# Altium PCB UNT 3-ALL.pcbdoc (part 4 of 4)
Units mm, origin at the board's own origin, x right, y up, seen from the top; angles counter-clockwise.
Board outline 81.66 x 106.01 mm, 4 copper layers (Top Layer, Mid Layer 1, Mid Layer 2, Bottom Layer), stack 0.778 mm thick; 401 components, 151 nets, 1332 pads, 708 vias.
Unrouted connection lines stored in the file: 121.
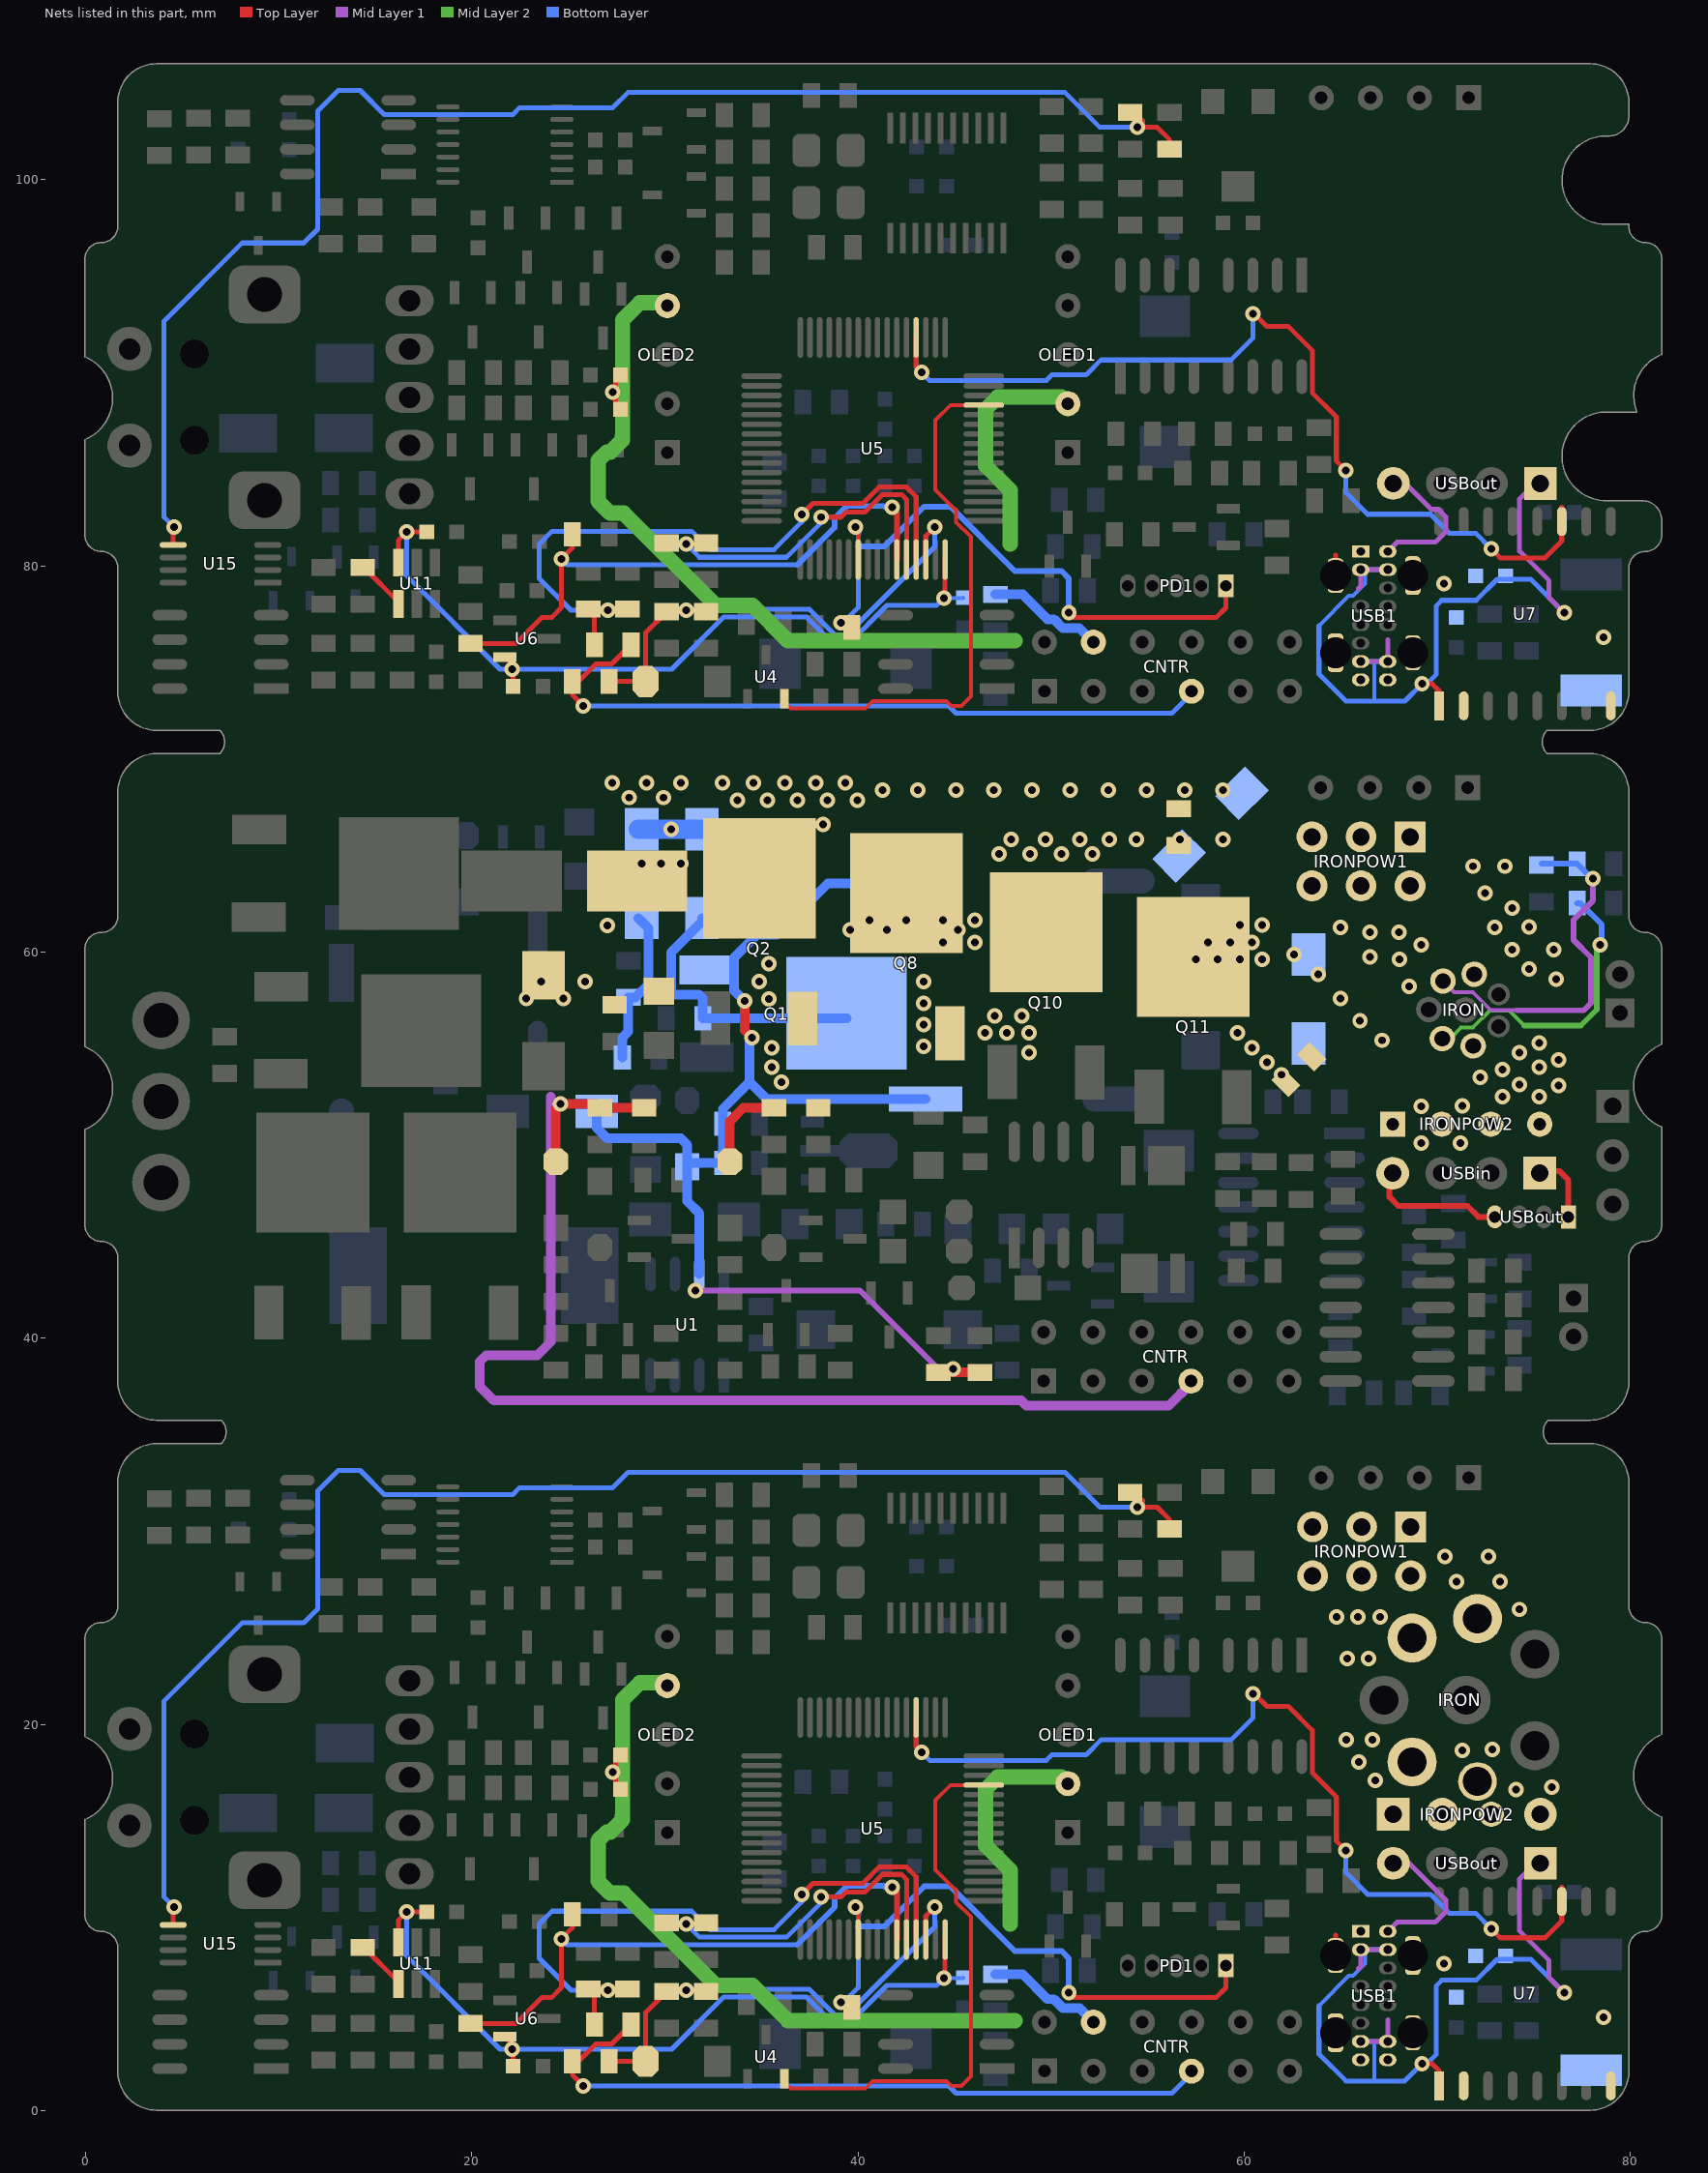
[diagram p6: the nets of this part, all layers, seen from the top]

## Via types
v1: diameter 0.8, hole 0.4, Top Layer to Bottom Layer, tented both sides, 702 vias
v2: diameter 4, hole 2.2, Top Layer to Bottom Layer, 6 vias

## Nets (pads, with @x,y where several pads share a name; then routed paths per layer and width w, separated by ;. In a path a pad name is that pad's centre, name@x,y a point inside that pad or via, vN(x,y) a via of type N, cw(c..) or ccw(c..) an arc to the next point about the centre after c; other vN are vias at no path point) (continued)
USBD-: U5.36 U7.11 | length 96.2
  Top Layer w0.254: U5.36@43.017,20.357 43.017,18.832 v1(43.307,18.542) ; U5.36@43.017,91.837 43.017,90.312 v1(43.307,90.022) ; v1(60.452,21.59) 60.525,21.59 61.192,20.923 62.299,20.923 63.534,19.688 63.534,17.492 64.626,16.4 64.626,16.394 64.783,16.237 64.783,15.127 64.77,15.114 64.783,15.101 64.783,13.957 v1(65.278,13.462) ; v1(60.452,93.07) 60.525,93.07 61.192,92.403 62.299,92.403 63.534,91.168 63.534,88.972 64.626,87.88 64.626,87.874 64.783,87.717 64.783,86.607 64.77,86.594 64.783,86.581 64.783,85.437 v1(65.278,84.942) ; v1(72.814,9.398) 73.269,8.942 75.587,8.942 76.454,9.809 U7.11@76.454,11.557 ; v1(72.814,80.878) 73.269,80.422 75.587,80.422 76.454,81.289 U7.11@76.454,83.037
  Bottom Layer w0.254: v1(43.307,18.542) 43.72,18.129 49.752,18.129 50.051,18.428 51.829,18.428 52.59,19.189 59.321,19.189 60.452,20.32 v1(60.452,21.59) ; v1(43.307,90.022) 43.72,89.609 49.752,89.609 50.051,89.908 51.829,89.908 52.59,90.669 59.321,90.669 60.452,91.8 v1(60.452,93.07) ; v1(65.278,13.462) 65.278,12.322 66.41,11.19 69.66,11.19 70.633,10.217 71.995,10.217 v1(72.814,9.398) ; v1(65.278,84.942) 65.278,83.802 66.4,82.68 69.65,82.68 70.633,81.697 71.995,81.697 v1(72.814,80.878)
USBGND: C53.2 C54.1 RGND1.2 U7.2 U7.8 USB1.1 USB1.7 USB1.8 USB1.14 USB1.15 USBin.4 USBout.4 | length 24.9
  Top Layer w0.254: USB1.15@64.74,8.021 64.74,9.076 ; USB1.15@64.74,79.501 64.74,80.556
  Top Layer w0.3: USBin.4@67.528,48.644 67.528,47.305 67.983,46.85 71.575,46.85 72.14,46.285 USBout.4@72.993,46.285
  Mid Layer 1 w0.254: USB1.14@67.44,9.271 67.919,9.75 69.9,9.75 70.45,10.3 70.45,10.9 68.45,12.9 USBout.4@67.56,12.9 ; USB1.14@67.44,80.751 67.919,81.23 69.9,81.23 70.45,81.78 70.45,82.536 70.056,82.93 69.7,82.93 68.25,84.38 USBout.4@67.56,84.38
  other v1: 78.613,4.826 70.35,7.6 78.613,76.306 70.35,79.08
VABC: C62.1 R55.1 U5.11 | length 62.3
  Top Layer w0.254: R55.1@19.939,4.506 22.286,4.506 23.622,5.842 24.13,5.842 24.638,6.35 v1(24.638,8.89) 25.212,9.464 C62.1@25.212,10.16 ; R55.1@19.939,75.986 22.286,75.986 23.622,77.322 24.13,77.322 24.638,77.83 v1(24.638,80.37) 25.212,80.944 C62.1@25.212,81.64
  Top Layer w0.3: v1(41.783,11.557) 42.017,11.323 U5.11@42.017,8.853 ; v1(41.783,83.037) 42.017,82.803 U5.11@42.017,80.333
  Bottom Layer w0.254: v1(24.638,8.89) 24.95,8.578 36.849,8.578 ; v1(24.638,80.37) 24.95,80.058 36.849,80.058
  Bottom Layer w0.3: 36.849,8.578 38.794,10.523 38.794,10.99 39.429,11.625 41.361,11.625 41.429,11.557 v1(41.783,11.557) ; 36.849,80.058 38.794,82.003 38.794,82.47 39.429,83.105 41.361,83.105 41.429,83.037 v1(41.783,83.037)
VACDC: C61.2 R47.2 R51.2 U5.13 | length 70.5
  Top Layer w0.254: R51.2@26.035,6.289 26.355,5.969 R47.2@26.355,4.445 ; R51.2@26.035,77.769 26.355,77.449 R47.2@26.355,75.925 ; v1(37.084,11.176) 37.673,11.765 40.259,11.765 41.112,12.618 42.5,12.618 43.017,12.101 U5.13@43.017,8.853 ; v1(37.084,82.656) 37.673,83.245 40.259,83.245 41.112,84.098 42.5,84.098 43.017,83.581 U5.13@43.017,80.333
  Top Layer w0.4: R51.2@26.035,6.289 C61.2@28.067,6.289 ; R51.2@26.035,77.769 C61.2@28.067,77.769
  Bottom Layer w0.254: v1(27.051,6.223) 25.146,6.223 23.495,7.874 23.495,9.652 24.162,10.319 31.391,10.319 32.344,9.366 35.655,9.366 37.084,10.795 v1(37.084,11.176) ; v1(27.051,77.703) 25.146,77.703 23.495,79.354 23.495,81.132 24.162,81.799 31.391,81.799 32.344,80.846 35.655,80.846 37.084,82.275 v1(37.084,82.656)
VBUS1: C53.1 U7.1 USB1.2 USB1.6 USB1.9 USB1.13 USBin.1 USBout.1 | length 93.5
  Top Layer w0.254: v1(69.215,2.413) 69.743,2.413 70.105,2.051 U7.1@70.105,1.275 ; v1(69.215,73.893) 69.743,73.893 70.105,73.531 U7.1@70.105,72.755
  Top Layer w0.3: USBin.1@75.148,48.644 76.349,48.644 76.803,48.19 USBout.1@76.803,46.285
  Mid Layer 1 w0.254: 65.919,7.342 66.04,7.463 USB1.2@66.04,8.321 USB1.13@67.44,8.321 ; 65.919,78.822 66.04,78.943 USB1.2@66.04,79.801 USB1.13@67.44,79.801 ; USB1.6@66.04,3.571 USB1.9@67.44,3.571 67.44,4.7 ; USB1.6@66.04,75.051 USB1.9@67.44,75.051 67.44,76.18 ; USBout.1@75.18,12.9 74.269,11.989 74.269,9.297 75.8,7.766 75.8,6.877 v1(76.581,6.096) ; USBout.1@75.18,84.38 74.269,83.469 74.269,80.777 75.8,79.246 75.8,78.357 v1(76.581,77.576)
  Bottom Layer w0.2: 63.881,5.432 65.43,6.981 65.651,6.981 66.28,7.61 USB1.2@66.28,8.321 ; 63.881,76.912 65.43,78.461 65.651,78.461 66.28,79.09 USB1.2@66.28,79.801 ; 66.749,1.524 66.749,3.571 ; 66.749,73.004 66.749,75.051
  Bottom Layer w0.254: 63.881,5.432 63.881,2.921 65.278,1.524 66.749,1.524 68.326,1.524 v1(69.215,2.413) 69.469,2.413 69.96,2.904 69.96,6.46 70.241,6.741 72.019,6.741 73.108,7.83 74.847,7.83 v1(76.581,6.096) 76.581,5.984 v1@76.553,6.012 ; 63.881,76.912 63.881,74.401 65.278,73.004 66.749,73.004 68.326,73.004 v1(69.215,73.893) 69.469,73.893 69.96,74.384 69.96,77.94 70.241,78.221 72.019,78.221 73.108,79.31 74.847,79.31 v1(76.581,77.576) 76.581,77.464 v1@76.553,77.492 ; USB1.6@66.04,3.571 66.749,3.571 USB1.9@67.44,3.571 ; USB1.6@66.04,75.051 66.749,75.051 USB1.9@67.44,75.051 ; USB1.2@66.28,8.321 USB1.13@67.44,8.321 ; USB1.2@66.28,79.801 USB1.13@67.44,79.801
VGND: c34.1 c35.1 c88.1 CNTR.4@52.197,4.572 CNTR.4@52.197,76.052 OLED1.2 OLED2.4 | length 114.7
  Top Layer w0.254: c34.1@27.447,16.637 c35.1@27.447,18.415 ; c34.1@27.447,88.117 c35.1@27.447,89.895
  Mid Layer 2 w0.8: OLED2.4@29.986,22.149 28.702,22.149 27.813,21.26 27.813,15.054 27.186,14.427 27,14.427 26.543,13.97 26.543,11.879 27.17,11.252 27.864,11.252 32.639,6.477 34.544,6.477 36.373,4.648 48.133,4.648 ; OLED2.4@29.986,93.629 28.702,93.629 27.813,92.74 27.813,86.534 27.186,85.907 27,85.907 26.543,85.45 26.543,83.359 27.17,82.732 27.864,82.732 32.639,77.957 34.544,77.957 36.373,76.128 48.133,76.128 ; 47.879,9.652 47.879,12.446 46.609,13.716 46.609,16.637 47.244,17.272 50.533,17.272 OLED1.2@50.877,16.928 ; 47.879,81.132 47.879,83.926 46.609,85.196 46.609,88.117 47.244,88.752 50.533,88.752 OLED1.2@50.877,88.408 ; CNTR.4@52.197,4.445 CNTR.4@52.197,4.572 ; CNTR.4@52.197,75.925 CNTR.4@52.197,76.052
  Bottom Layer w0.5: c88.1@47.117,7.046 48.539,7.046 49.823,5.762 50.15,5.762 50.606,5.306 51.463,5.306 CNTR.4@52.197,4.572 ; c88.1@47.117,78.526 48.539,78.526 49.823,77.242 50.15,77.242 50.606,76.786 51.463,76.786 CNTR.4@52.197,76.052
  other v1: 27.305,17.526 27.305,89.006
VIN: C1.2 C85.2 C86.2 CNTR.7 D6.1 D11.2 F1.2 Q2.3 Q8.3 R1.2 R5.2 R13.2 R43.1 R47.1 TVS1.2 ZD6.2 ZD7.2 | length 146.2
  Top Layer w0.254: v1(25.781,1.27) 25.212,1.839 R43.1@25.212,2.54 25.527,2.54 26.429,3.442 27.252,3.442 R47.1@28.255,4.445 ; v1(25.781,72.75) 25.212,73.319 R43.1@25.212,74.02 25.527,74.02 26.429,74.922 27.252,74.922 R47.1@28.255,75.925
  Top Layer w0.5: ZD6.2@24.352,49.143 24.352,51.873 v1(24.606,52.127) 26.445,52.127 R5.2@26.638,51.934 C85.2@28.924,51.934 ; ZD7.2@33.369,49.143 33.369,51.238 34.065,51.934 R13.2@35.655,51.934
  Mid Layer 1 w0.3: 48.316,36.772 48.458,36.772 ; CNTR.7@57.245,37.649 CNTR.7@57.245,37.776
  Mid Layer 1 w0.5: 24.098,52.508 24.098,39.808 23.4,39.11 20.733,39.11 20.415,38.792 20.415,37.499 21.142,36.772 48.316,36.772 ; 48.458,36.772 48.724,36.506 56.102,36.506 CNTR.7@57.245,37.649
  Bottom Layer w0.254: v1(25.781,1.27) 44.704,1.27 45.085,0.889 56.261,0.889 CNTR.7@57.277,1.905 ; v1(25.781,72.75) 44.704,72.75 45.085,72.369 56.261,72.369 CNTR.7@57.277,73.385
  Bottom Layer w1: D11.2@28.619,66.365 D11.2@28.797,66.365 v1(30.321,66.365) D6.1@31.921,66.365
  other v1: 36.036,53.27 35.528,54.032 35.528,55.048 43.402,55.124 43.402,56.24 43.402,57.357 35.401,57.563 22.828,57.588 24.733,57.588 23.59,58.477 25.876,58.477 34.893,58.477 43.402,58.473 35.401,59.391 27.019,61.373 28.797,64.573 29.813,64.573 30.829,64.573 28.162,68.002 29.94,68.002 27.273,68.764 29.051,68.764 30.829,68.764
VINRECT: C22.1 D6.2 Q1.2 R2.2 | length 20.9
  Bottom Layer w0.5: C22.1@35.195,65.843 35.144,65.792 35.144,63.808 33.101,61.765 D6.2@31.921,61.765 31.921,61.572 30.321,59.972 30.321,57.969 30.483,57.807 31.753,57.807 31.967,57.593 R2.2@31.967,56.572 31.982,56.557 39.399,56.557 Q1.2@39.414,56.572
VINT: C60.1 R43.2 R46.1 U5.14 ZD4.2 | length 52.9
  Top Layer w0.254: R43.2@27.112,2.54 28.879,2.54 29.006,2.413 ZD4.2@29.006,2.54 29.006,5.064 R46.1@30.099,6.157 C60.1@32.131,6.157 ; R43.2@27.112,74.02 28.879,74.02 29.006,73.893 ZD4.2@29.006,74.02 29.006,76.544 R46.1@30.099,77.637 C60.1@32.131,77.637 ; U5.14@43.517,8.853 43.517,10.075 v1(43.983,10.541) ; U5.14@43.517,80.333 43.517,81.555 v1(43.983,82.021)
  Bottom Layer w0.254: v1(31.115,6.223) 31.16,6.268 37.493,6.268 38.84,4.921 39.392,4.921 43.983,9.511 v1(43.983,10.541) ; v1(31.115,77.703) 31.16,77.748 37.493,77.748 38.84,76.401 39.392,76.401 43.983,80.991 v1(43.983,82.021)
VOFF: R49.2 U11.1 | length 5.2
  Top Layer w0.254: R49.2@14.478,8.443 14.478,8.382 16.195,6.665 U11.1@16.195,6.545 ; R49.2@14.478,79.923 14.478,79.862 16.195,78.145 U11.1@16.195,78.025
VOUT1+: C9.2 D9.2 IRON.2@71.922,58.853 IRON.3@72.09,25.475 IRONPOW1.1 IRONPOW1.3 IRONPOW1.5 Q2.2
  other v1: 74.25,25.95 71,27.4 73.25,27.4 70.4,28.7 72.65,28.7 76.168,58.604 74.771,59.112 73.882,60.128 76.041,60.128 72.993,61.271 74.771,61.296 73.882,62.287 72.485,63.049 71.85,64.446 73.501,64.446 38.195,66.605 33.75,67.875 35.306,67.875 36.862,67.875 38.417,67.875 39.973,67.875 41.268,68.383 43.097,68.383 45.072,68.383 47.047,68.383 49.022,68.383 50.997,68.383 52.971,68.383 54.946,68.383 56.921,68.383 58.896,68.383 32.988,68.764 34.597,68.764 36.205,68.764 37.814,68.764 39.338,68.764
VOUT1-: C9.1 D9.1 IRON.3@70.302,58.502 IRON.4@68.703,24.471 IRONPOW1.2 IRONPOW1.4 IRONPOW1.6 Q10.2 Radj.1 Rid1.2 | length 18.7
  Mid Layer 1 w0.2: IRON.3@70.302,58.502 70.891,57.912 71.845,57.912 72.775,56.982 74.136,56.982
  Mid Layer 1 w0.3: 74.136,56.982 77.594,56.982 77.97,57.358 77.97,59.723 77.057,60.636 77.057,61.652 78.073,62.668 v1(78.073,63.811)
  Bottom Layer w0.3: Radj.1@75.406,64.573 Rid1.2@77.25,64.573 78.012,63.811 v1(78.073,63.811)
  other v1: 65.35,23.4 66.451,23.4 64.8,25.55 65.901,25.55 67.05,25.55 68.548,58.223 68.04,59.62 66.516,59.747 69.183,60.382 66.516,61.017 68.015,61.017 64.992,61.271 47.314,65.081 48.922,65.081 50.531,65.081 52.14,65.081 47.949,65.843 49.727,65.843 51.505,65.843 53.029,65.843 54.426,65.843 56.669,65.843 58.913,65.843
VOUT2+: C17.2 D13.2 IRON.6@71.868,55.143 IRON.7@72.09,17.041 IRONPOW2.3 IRONPOW2.4 Q8.2
  other v1: 74.08,16.61 75.95,16.75 71.3,18.65 72.85,18.7 73.374,52.508 75.279,52.508 76.295,53.092 74.263,53.143 72.231,53.524 61.944,53.651 73.374,53.905 75.279,54.032 61.182,54.286 76.295,54.413 48.863,54.794 74.263,54.794 60.42,55.048 75.279,55.302 46.577,55.81 47.72,55.81 48.863,55.81 59.658,55.81 47.085,56.699 48.482,56.699 44.418,60.509 46.069,60.509 39.592,61.144 41.497,61.144 45.18,61.144 40.608,61.652 42.513,61.652 44.418,61.652 46.069,61.652
VOUT2-: C17.1 D13.1 IRON.5@70.271,55.519 IRON.6@68.703,18.045 IRONPOW2.1 IRONPOW2.2 Q11.2 Rid2.1 | length 15.7
  Mid Layer 2 w0.2: IRON.5@70.271,55.519 70.67,55.519 71.243,56.092 71.845,56.092 72.727,56.973 73.735,56.973 74.517,56.191
  Mid Layer 2 w0.3: 74.517,56.191 77.439,56.191 78.269,57.021 78.269,60.07 78.581,60.382 v1(78.454,60.382)
  Bottom Layer w0.3: Rid2.1@77.25,62.541 77.412,62.541 78.519,61.434 78.519,60.447 v1(78.454,60.382)
  other v1: 66.8,17.1 65.95,18.05 65.3,19.2 66.65,19.2 69.183,50.095 71.215,50.095 69.183,52 71.303,52.039 67.151,55.429 66.008,56.445 64.992,57.588 63.849,58.858 57.499,59.62 58.642,59.62 59.785,59.62 60.928,59.62 62.579,59.874 58.134,60.509 59.277,60.509 60.42,60.509 59.785,61.398 60.928,61.398
VPP: PD1.1 R11.2 U5.7 | length 64
  Top Layer w0.254: v1(39.878,10.541) 40.017,10.402 U5.7@40.017,8.853 ; v1(39.878,82.021) 40.017,81.882 U5.7@40.017,80.333 ; v1(50.93,6.099) 51.187,5.842 58.547,5.842 59.055,6.35 PD1.1@59.055,7.493 ; v1(50.93,77.579) 51.187,77.322 58.547,77.322 59.055,77.83 PD1.1@59.055,78.973
  Bottom Layer w0.254: v1(39.116,5.588) 39.243,5.588 40.017,6.362 40.017,9.525 40.017,10.148 ; v1(39.116,77.068) 39.243,77.068 40.017,77.842 40.017,81.005 40.017,81.628
  Bottom Layer w0.3: v1(39.878,10.541) 40.017,10.402 40.017,10.148 ; v1(39.878,82.021) 40.017,81.882 40.017,81.628 ; 40.017,9.525 41.357,9.525 43.431,11.599 44.789,11.599 48.133,8.255 50.546,8.255 50.93,7.871 v1(50.93,6.099) 50.93,5.972 v1@50.927,5.969 ; 40.017,81.005 41.357,81.005 43.431,83.079 44.789,83.079 48.133,79.735 50.546,79.735 50.93,79.351 v1(50.93,77.579) 50.93,77.452 v1@50.927,77.449
VPRE: C6.2 C7.2 C8.1 C11.1 D5.1 D12.1 Q1.3 R19.1 R20.1 U1.7 | length 63.9
  Top Layer w0.5: v1(34.131,57.461) 34.131,55.937 v1(34.512,55.556) ; v1@44.799,38.223 R19.1@46.323,38.223
  Mid Layer 1 w0.3: v1(31.591,42.475) 40.1,42.475 44.164,38.411 v1(44.926,38.411)
  Bottom Layer w0.5: D12.1@26.474,51.746 26.474,50.894 27.019,50.349 30.829,50.349 31.159,50.019 D5.1@31.159,48.889 ; U1.7@31.794,43.322 31.794,46.463 31.159,47.098 D5.1@31.159,48.889 ; v1(34.131,57.461) 33.584,58.008 33.584,59.708 34.766,60.89 35.782,60.89 38.449,63.557 43.101,63.557 C8.1@43.482,63.938 ; v1@34.385,55.429 34.385,53.27 ; C11.1@43.511,52.381 35.274,52.381 34.385,53.27 ; D5.1@31.159,48.889 31.35,49.079 C6.2@33.003,49.079 C7.2@33.003,51.111 33.003,51.888 34.385,53.27
VREF: C42.1 C43.1 C44.1 U5.16 U6.2 U11.6 | length 84.9
  Top Layer w0.254: U11.6@16.195,8.695 16.195,9.845 v1@16.495,10.145 ; U11.6@16.195,80.175 16.195,81.325 v1@16.495,81.625 ; v1@16.495,10.287 v1@16.495,10.145 ; v1@16.495,81.767 v1@16.495,81.625 ; C43.1@17.668,10.287 v1(16.637,10.287) v1@16.495,10.145 ; C43.1@17.668,81.767 v1(16.637,81.767) v1@16.495,81.625 ; U6.2@21.717,3.81 22.134,3.393 C42.1@22.134,2.286 ; U6.2@21.717,75.29 22.134,74.873 C42.1@22.134,73.766 ; v1(44.45,6.858) 44.517,6.925 U5.16@44.517,8.853 ; v1(44.45,78.338) 44.517,78.405 U5.16@44.517,80.333
  Bottom Layer w0.2: v1(44.45,6.858) 45.451,6.858 C44.1@45.466,6.873 ; v1(44.45,78.338) 45.451,78.338 C44.1@45.466,78.353
  Bottom Layer w0.254: v1(16.637,10.287) 16.637,8.001 21.463,3.175 v1(22.098,3.175) 30.353,3.175 33.052,5.874 37.33,5.874 38.677,4.527 39.555,4.527 41.505,6.477 44.069,6.477 v1(44.45,6.858) ; v1(16.637,81.767) 16.637,79.481 21.463,74.655 v1(22.098,74.655) 30.353,74.655 33.052,77.354 37.33,77.354 38.677,76.007 39.555,76.007 41.505,77.957 44.069,77.957 v1(44.45,78.338)
VRT: U4.2 U5.29 | length 56.6
  Top Layer w0.2: U4.2@36.129,1.524 36.51,1.143 40.386,1.143 40.767,1.524 44.577,1.524 44.831,1.27 45.355,1.27 45.852,1.767 45.852,10.028 45.085,10.795 45.085,11.43 45.05,11.465 45.006,11.465 44.003,12.469 44.003,16.063 44.795,16.855 U5.29@46.519,16.855 ; U4.2@36.129,73.004 36.51,72.623 40.386,72.623 40.767,73.004 44.577,73.004 44.831,72.75 45.355,72.75 45.852,73.247 45.852,81.508 45.085,82.275 45.085,82.91 45.05,82.945 45.006,82.945 44.003,83.949 44.003,87.543 44.795,88.335 U5.29@46.519,88.335
VSHUNT: C59.1 R45.1 U5.12 | length 32.7
  Top Layer w0.254: v1(38.1,11.049) 39.116,11.049 39.37,11.303 40.354,11.303 41.275,12.224 42.259,12.224 42.517,11.966 42.517,8.887 42.5,8.87 U5.12@42.517,8.853 ; v1(38.1,82.529) 39.116,82.529 39.37,82.783 40.354,82.783 41.275,83.704 42.259,83.704 42.517,83.446 42.517,80.367 42.5,80.35 U5.12@42.517,80.333
  Bottom Layer w0.254: v1(31.115,9.652) 31.795,8.972 36.3,8.972 v1@38.227,10.899 ; v1(31.115,81.132) 31.795,80.452 36.3,80.452 v1@38.227,82.379
VTEMP: C65.1 R56.1 U15.5 | length 152.5
  Top Layer w0.254: U15.5@4.535,9.611 4.535,10.504 v1(4.572,10.541) ; U15.5@4.535,81.091 4.535,81.984 v1(4.572,82.021) ; C65.1@56.134,30.114 56.134,30.607 55.499,31.242 v1@54.737,31.242 ; C65.1@56.134,101.594 56.134,102.087 55.499,102.722 v1@54.737,102.722 ; v1@54.737,31.242 54.737,31.586 54.465,31.859 v1(54.465,31.242) v1@54.737,31.242 ; v1@54.737,102.722 54.737,103.066 54.465,103.339 v1(54.465,102.722) v1@54.737,102.722
  Bottom Layer w0.254: v1(4.572,10.541) 4.064,11.049 4.064,21.209 8.105,25.25 11.3,25.25 12.02,25.97 12.02,32.086 13.081,33.147 14.224,33.147 15.481,31.89 22.111,31.89 22.479,32.258 27.305,32.258 28.093,33.046 50.728,33.046 52.532,31.242 ; v1(4.572,82.021) 4.064,82.529 4.064,92.689 8.105,96.73 11.3,96.73 12.02,97.45 12.02,103.566 13.081,104.627 14.224,104.627 15.481,103.37 22.111,103.37 22.479,103.738 27.305,103.738 28.093,104.526 50.728,104.526 52.532,102.722 ; 52.532,31.242 v1(54.465,31.242) ; 52.532,102.722 v1(54.465,102.722)
VVALLEY: C12.2 D11.1 R9.2 | length 8.2
  Bottom Layer w0.5: C12.2@27.796,54.54 27.796,55.571 28.111,55.886 R9.2@28.111,57.654 28.482,57.654 29.146,58.318 29.146,61.238 D11.1@28.619,61.765
pads on no net: LS1.3 U1.5 U2.1 U2.8 U5.4 U5.21 U5.22 U5.23 U5.24 U5.27 U5.31 U5.32 U5.47 U5.58 U5.59 U5.60 U5.61 U10.11 U16.15 U17.1 U17.5 U17.8 USB1.5 USB1.12
copper on no net:
  other v2: 4.5,26.543 76,32.35 4.468,62.287 75.968,68.094 4.5,98.023 76,103.83

## Polygon pours and split planes (outlines as drawn)
VGND on Mid Layer 2 "VGND_L03_P022" (solid, pour order 279): 26.162,90.572 27.474,90.53 27.559,89.683 27.559,87.482 27.502,87.397 26.46,87.397 25.4,88.456 25.4,90.572
VGND on Mid Layer 2 "VGND_L03_P020" (solid, pour order 277): 47.498,81.005 47.498,75.671 48.133,75.036 52.578,75.036 53.34,75.798 53.34,77.068 50.722,77.068 48.26,79.53 48.26,81.36 47.524,81.36 47.498,81.386
GND on Mid Layer 2 "GND_L03_P024" (solid, remove dead copper, pour order 275): 34 vertices, not listed, extent 0.605,72.006 79.915,105.534